# Altium PCB Zynq-Video-Board.PcbDoc (part 1 of 7) (continued)
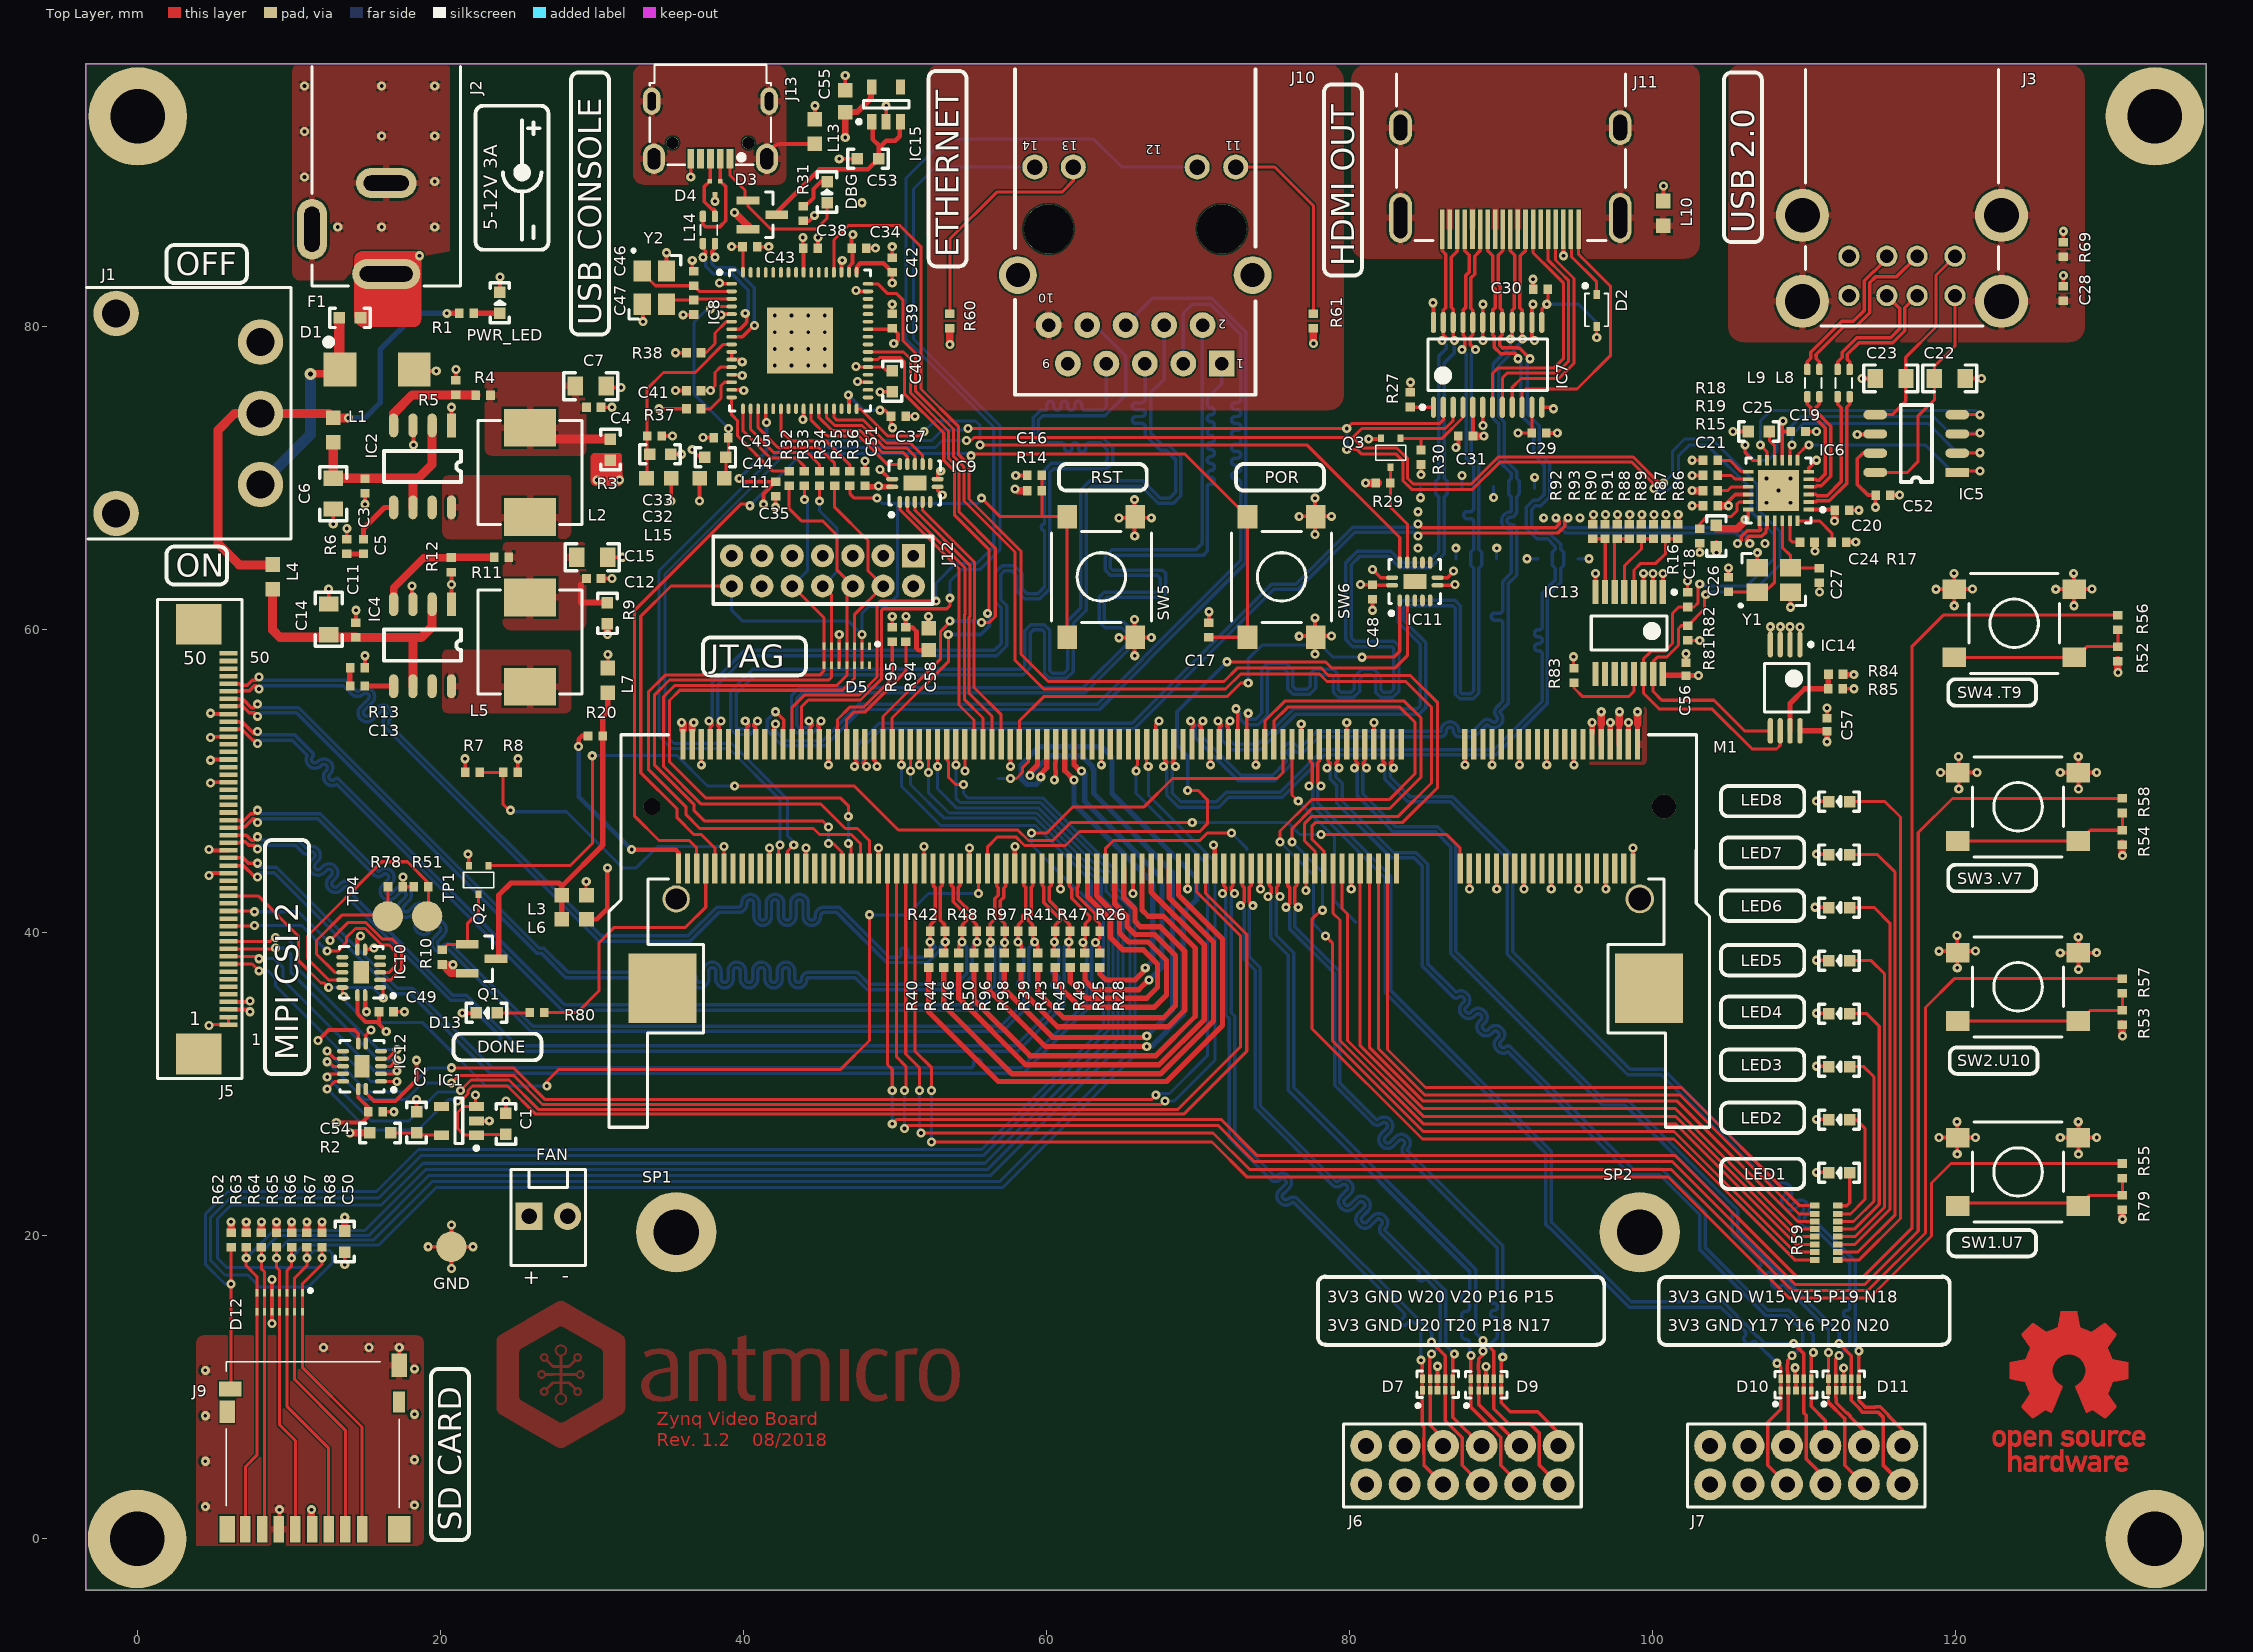
[diagram p0: Top Layer view]
## Footprints (in the part's own frame and the unit in brackets; to place one, negate y for a bottom-side part, rotate by r counter-clockwise, add the part's x,y. Pads: shape width x height; smd on the part's side, far side on the other; paste and mask are expansions set on the pad) (continued)
  silkscreen extent -50,-50 520,125, body extent -89,-86 567,162, height 252
DBQ0016A [mm]
  rect 1.6x0.41 smd: 1(-2.7,2.222) 2(-2.7,1.587) 3(-2.7,0.952) 4(-2.7,0.317) 5(-2.7,-0.318) 6(-2.7,-0.953) 7(-2.7,-1.588) 8(-2.7,-2.223) 9(2.7,-2.222) 10(2.7,-1.587) 11(2.7,-0.952) 12(2.7,-0.317) 13(2.7,0.318) 14(2.7,0.953) 15(2.7,1.588) 16(2.7,2.223)
  silkscreen extent -2.82,-2.5 1.13,3.1, body extent -2,-2.5 2,2.5, height 1.75
DC_SOCKET [mm]
  oval 2x4.5 hole 1 slot 3.5 at 90 deg: 1(13.7,0)
  oval 4x2 hole 1 slot 3 at 0 deg: 2(10.75,-4.9)
  oval 2x4 hole 1 slot 3 at 90 deg: 3(7.7,0)
  silkscreen extent 0,-4.9 14.5,4.9, body extent 0,-5.1 14.1,4.5, height 11.01
DHVQFN14 [mm] "QFN, 14-Leads, Body 2.50x3.00mm, Pitch 0.50mm, Thermal Pad 1.00x1.50mm, IPC Medium Density"
  oval 0.3x0.8 smd: 1(-0.25,1.5) 7(-0.25,-1.5) 8(0.25,-1.5) 14(0.25,1.5)
  oval 0.8x0.3 smd: 2(-1.25,1) 3(-1.25,0.5) 4(-1.25,0) 5(-1.25,-0.5) 6(-1.25,-1) 9(1.25,-1) 10(1.25,-0.5) 11(1.25,0) 12(1.25,0.5) 13(1.25,1)
  rect 1x1.5 smd: 15(0,0)
  silkscreen extent -2.22,-1.7 1.45,1.7, body extent -1.25,-1.5 1.25,1.5, height 0.85
DLW21SN900SQ2 [mm]
  rrect50% 0.75x0.42 smd: 1(-0.9,0.4) 2(-0.9,-0.4) 3(0.9,-0.4) 4(0.9,0.4)
  silkscreen extent -0.34,-0.55 0.34,0.55, body extent -1,-0.6 1,0.6, height 1.44
DO-214AA [mm]
  rect 2.16x2.26 smd: A(2.45,0) C(-2.45,0)
  silkscreen extent -3.37,1.63 -3.03,1.97, body extent -2.75,-1.95 2.75,1.95, height 2.45
FT2232HQ [mm] "QFN, 64-Leads, Body 9,00x9,00mm, Pitch 0,50mm, Thermal Pad 4,35x4,35mm, IPC Medium Density"
  oval 0.7x0.25 smd: 2(-4.5,3.25) 3(-4.5,2.75) 4(-4.5,2.25) 6(-4.5,1.25) 7(-4.5,0.75) 8(-4.5,0.25) 9(-4.5,-0.25) 10(-4.5,-0.75) 13(-4.5,-2.25) 14(-4.5,-2.75) 16(-4.5,-3.75) 33(4.5,-3.75) 34(4.5,-3.25) 36(4.5,-2.25) 38(4.5,-1.25) 39(4.5,-0.75) 40(4.5,-0.25) 41(4.5,0.25) 43(4.5,1.25) 44(4.5,1.75) 45(4.5,2.25) 46(4.5,2.75) 48(4.5,3.75) GND(-4.5,-3.25) GND(-4.5,-1.25) GND(-4.5,1.75) GND(-4.5,3.75) GND(4.5,-2.75) GND(4.5,3.25) VCCIO(4.5,0.75) VCORE(-4.5,-1.75) VCORE(4.5,-1.75)
  oval 0.25x0.7 smd: 17(-3.75,-4.5) 18(-3.25,-4.5) 19(-2.75,-4.5) 21(-1.75,-4.5) 22(-1.25,-4.5) 23(-0.75,-4.5) 24(-0.25,-4.5) 26(0.75,-4.5) 27(1.25,-4.5) 28(1.75,-4.5) 29(2.25,-4.5) 30(2.75,-4.5) 32(3.75,-4.5) 49(3.75,4.5) 50(3.25,4.5) 52(2.25,4.5) 53(1.75,4.5) 54(1.25,4.5) 55(0.75,4.5) 57(-0.25,4.5) 58(-0.75,4.5) 59(-1.25,4.5) 60(-1.75,4.5) 61(-2.25,4.5) 62(-2.75,4.5) 63(-3.25,4.5) GND(0.25,-4.5) GND(2.75,4.5) VCCIO(-2.25,-4.5) VCCIO(0.25,4.5) VCCIO(3.25,-4.5) VCORE(-3.75,4.5)
  rect 4.35x4.35 smd: GND(0,0)
  silkscreen extent -5.42,-4.65 4.65,4.65, body extent -4.49,-4.53 4.55,4.51, height 0.9
IHLP-2525CZ-01 [mm]
  rect 2.5x3.43 smd: 1(-2.95,0) 2(2.95,0)
  silkscreen extent -3.43,-3.43 3.43,3.43, body extent -3.53,-3.34 3.55,3.34, height 2.9
LED0603 [mil]
  rect 30x30 smd: A(-27.5,0) K(27.5,0)
  silkscreen extent -52,-25 52,25, body extent -33,-16 31,16, height 43
M2-3mm [mm] "SMT Steel Spacer, M2 Thread Internal, 3mm"
  round 5.3 / inner round 0 / far side round 0 hole 3 paste-403.566: 1(0,0)
  body extent -2.17,-2.17 2.16,2.17, height 3
molex_2223-2021 [mm] "Pinhead male 1x2 pitch 2.54mm straight"
  rect 1.8x1.8 hole 1.02: 1(-1.27,0)
  round 1.8 hole 1.02: 2(1.27,0)
  silkscreen extent -2.46,-3.25 2.46,3.1, body extent -2.49,-3.2 2.44,3.15, height 10.68
Molex_HDMI_471511001 [mm] "HEADER, RIGHT ANGLE, HDMI"
  rect 0.3x2.6 smd: 1(4.5,3.36) 2(4,3.36) 3(3.5,3.36) 4(3,3.36) 5(2.5,3.36) 6(2,3.36) 7(1.5,3.36) 8(1,3.36) 9(0.5,3.36) 10(0,3.36) 11(-0.5,3.36) 12(-1,3.36) 13(-1.5,3.36) 14(-2,3.36) 15(-2.5,3.36) 16(-3,3.36) 17(-3.5,3.36) 18(-4,3.36) 19(-4.5,3.36)
  oval 1.5x2.3 hole 0.9 slot 1.7 at 90 deg: S(-7.25,-3.36) S(7.25,-3.36)
  oval 1.5x3.3 hole 0.9 slot 2.7 at 90 deg: S(-7.25,2.6) S(7.25,2.6)
  silkscreen extent -7.6,-6.9 7.5,4.1, body extent -7.55,-8.08 7.45,4.07, height 6.28
QC3CA12 [mm] "QC3CA12"
  rect 1.4x1.15 smd: 1(0,0) 2(0,1.6) 3(2.2,1.6) 4(2.2,0)
  silkscreen extent -1.42,-0.89 3.17,2.54, body extent -0.51,-0.54 2.79,2.06, height 0.8
QFN24 [mm]
  rect 0.7x0.25 smd: 1(-2,1.25) 2(-2,0.75) 3(-2,0.25) 4(-2,-0.25) 5(-2,-0.75) 6(-2,-1.25) 13(2,-1.25) 14(2,-0.75) 15(2,-0.25) 16(2,0.25) 17(2,0.75) 18(2,1.25)
  rect 0.25x0.7 smd: 7(-1.25,-2) 8(-0.75,-2) 9(-0.25,-2) 10(0.25,-2) 11(0.75,-2) 12(1.25,-2) 19(1.25,2) 20(0.75,2) 21(0.25,2) 22(-0.25,2) 23(-0.75,2) 24(-1.25,2)
  rect 2.7x2.7 smd: T(0,0)
  silkscreen extent -3.05,-2.15 2.15,2.15, body extent -2,-2 2,2, height 0.9
R_ARRAY_0402 [mm]
  rect 0.4x0.62 smd: 1(-1.8,0.8) 2(-1.25,0.8) 3(-0.75,0.8) 4(-0.25,0.8) 5(0.25,0.8) 6(0.75,0.8) 7(1.25,0.8) 8(1.8,0.8) 9(-1.8,-0.7) 10(-1.25,-0.7) 11(-0.75,-0.7) 12(-0.25,-0.7) 13(0.25,-0.7) 14(0.75,-0.7) 15(1.25,-0.7) 16(1.8,-0.7)
  body extent -2,-0.7 2,0.9, height 0.45
SC70-3 [mm] "SC70, 3-Leads, Pitch 0,65mm, EIAJ SC-88a"
  rect 0.5x0.4 smd: 1(-0.95,0.65) 2(-0.95,-0.65) 3(0.95,0)
  silkscreen extent -0.5,-1 0.5,1, body extent -1.15,-1.08 1.15,1.02, height 1
SOD-323 [mm]
  rect 0.45x0.59 smd: A(0,-1.055) C(0,1.055)
  silkscreen extent -0.89,-1.05 0.76,1.74, body extent -0.63,-1.25 0.63,1.25, height 1
SOIC-8 [mil]
  rect 62x24 smd: 1(0,0)
  oval 62x24 smd: 2(0,-50) 3(0,-100) 4(0,-150) 5(213,-150) 6(213,-100) 7(213,-50) 8(213,0)
  silkscreen extent 66,-175 147,25, body extent -17,-173 227,23, height 69
SOT23-5N [mm] "SOT23, 5-Leads, Body 2,90x2,70mm, Pitch 0,95mm, IPC Medium Density"
  rect 1x0.6 smd: 1(-1.15,0.95) 2(-1.15,0) 3(-1.15,-0.95) 4(1.15,-0.95) 6(1.15,0.95)
  silkscreen extent -1.28,-1.5 0.25,1.92, body extent -1.19,-1.46 1.21,1.44, height 1.1
SOT-3 [mm]
  rect 0.3x0.3 smd: 1(-0.35,-0.425) 2(0.35,-0.425) 3(0,0.425)
  body extent -0.51,-0.38 0.51,0.38, height 0.51
SOT-23 [mm] "SOT23, 3-Leads, Body 2.90x2.45mm, Pitch 0.95mm, IPC Medium Density"
  rect 1.5x0.55 smd: 1(-0.95,0.95) 2(-0.95,-0.95) 3(0.95,0)
  silkscreen extent 0.2,-1.5 0.7,1.5, body extent -1.13,-1.5 1.13,1.5, height 1.21
SSW-106-02-G-D-RA [mm]
  round 2.1 hole 1.067: 1(12.7,2.54) 2(10.16,2.54) 3(7.62,2.54) 4(5.08,2.54) 5(2.54,2.54) 6(0,2.54) 7(12.7,0) 8(10.16,0) 9(7.62,0) 10(5.08,0) 11(2.54,0) 12(0,0)
  silkscreen extent -1.5,-1.5 14.2,4, body extent -1.39,-9.8 14.1,2.8, height 5.04
T_MMMC_896-43-008-90-000000 [mm] "USB 2.0 double row, Type A"
  round 1.4 hole 0.9: L1(3.75,13.13) L2(6.25,13.13) L3(8.25,13.13) L4(10.75,13.13) U1(3.75,15.73) U2(6.25,15.73) U3(8.25,15.73) U4(10.75,15.73)
  round 3.5 hole 2.3: S1(0.68,10.43) S2(0.68,16.11) S3(13.82,16.11) S4(13.82,10.43)
  silkscreen extent 0.87,0.8 13.63,17.73, body extent -0.45,0 14.95,17.53, height 16.17
TE_1565917-4 [mm] "SODIMM Connector"
  rect 2x0.35 smd: 1(-5.349,25.791) 2(2.851,25.491) 3(-5.349,25.191) 4(2.851,24.891) 5(-5.349,24.591) 6(2.851,24.291) 7(-5.349,23.991) 8(2.851,23.691) 9(-5.349,23.391) 10(2.851,23.091) 11(-5.349,22.791) 12(2.851,22.491) 13(-5.349,22.191) 14(2.851,21.891) 15(-5.349,21.591) 16(2.851,21.291) 17(-5.349,20.991) 18(2.851,20.691) 19(-5.349,20.391) 20(2.851,20.091) 21(-5.349,19.791) 22(2.851,19.491) 23(-5.349,19.191) 24(2.851,18.891) 25(-5.349,18.591) 26(2.851,18.291) 27(-5.349,17.991) 28(2.851,17.691) 29(-5.349,17.391) 30(2.851,17.091) 31(-5.349,16.791) 32(2.851,16.491) 33(-5.349,16.191) 34(2.851,15.891) 35(-5.349,15.591) 36(2.851,15.291) 37(-5.349,14.991) 38(2.851,14.691) 39(-5.349,14.391) 40(2.851,14.091) 41(-5.349,10.191) 42(2.851,9.891) 43(-5.349,9.591) 44(2.851,9.291) 45(-5.349,8.991) 46(2.851,8.691) 47(-5.349,8.391) 48(2.851,8.091) 49(-5.349,7.791) 50(2.851,7.491) 51(-5.349,7.191) 52(2.851,6.891) 53(-5.349,6.591) 54(2.851,6.291) 55(-5.349,5.991) 56(2.851,5.691) 57(-5.349,5.391) 58(2.851,5.091) 59(-5.349,4.791) 60(2.851,4.491) 61(-5.349,4.191) 62(2.851,3.891) 63(-5.349,3.591) 64(2.851,3.291) 65(-5.349,2.991) 66(2.851,2.691) 67(-5.349,2.391) 68(2.851,2.091) 69(-5.349,1.791) 70(2.851,1.491) 71(-5.349,1.191) 72(2.851,0.891) 73(-5.349,0.591) 74(2.851,0.291) 75(-5.349,-0.009) 76(2.851,-0.309) 77(-5.349,-0.609) 78(2.851,-0.909) 79(-5.349,-1.209) 80(2.851,-1.509) 81(-5.349,-1.809) 82(2.851,-2.109) 83(-5.349,-2.409) 84(2.851,-2.709) 85(-5.349,-3.009) 86(2.851,-3.309) 87(-5.349,-3.609) 88(2.851,-3.909) 89(-5.349,-4.209) 90(2.851,-4.509) 91(-5.349,-4.809) 92(2.851,-5.109) 93(-5.349,-5.409) 94(2.851,-5.709) 95(-5.349,-6.009) 96(2.851,-6.309) 97(-5.349,-6.609) 98(2.851,-6.909) 99(-5.349,-7.209) 100(2.851,-7.509) 101(-5.349,-7.809) 102(2.851,-8.109) 103(-5.349,-8.409) 104(2.851,-8.709) 105(-5.349,-9.009) 106(2.851,-9.309) 107(-5.349,-9.609) 108(2.851,-9.909) 109(-5.349,-10.209) 110(2.851,-10.509) 111(-5.349,-10.809) 112(2.851,-11.109) 113(-5.349,-11.409) 114(2.851,-11.709) 115(-5.349,-12.009) 116(2.851,-12.309) 117(-5.349,-12.609) 118(2.851,-12.909) 119(-5.349,-13.209) 120(2.851,-13.509) 121(-5.349,-13.809) 122(2.851,-14.109) 123(-5.349,-14.409) 124(2.851,-14.709) 125(-5.349,-15.009) 126(2.851,-15.309) 127(-5.349,-15.609) 128(2.851,-15.909) 129(-5.349,-16.209) 130(2.851,-16.509) 131(-5.349,-16.809) 132(2.851,-17.109) 133(-5.349,-17.409) 134(2.851,-17.709) 135(-5.349,-18.009) 136(2.851,-18.309) 137(-5.349,-18.609) 138(2.851,-18.909) 139(-5.349,-19.209) 140(2.851,-19.509) 141(-5.349,-19.809) 142(2.851,-20.109) 143(-5.349,-20.409) 144(2.851,-20.709) 145(-5.349,-21.009) 146(2.851,-21.309) 147(-5.349,-21.609) 148(2.851,-21.909) 149(-5.349,-22.209) 150(2.851,-22.509) 151(-5.349,-22.809) 152(2.851,-23.109) 153(-5.349,-23.409) 154(2.851,-23.709) 155(-5.349,-24.009) 156(2.851,-24.309) 157(-5.349,-24.609) 158(2.851,-24.909) 159(-5.349,-25.209) 160(2.851,-25.509) 161(-5.349,-25.809) 162(2.851,-26.109) 163(-5.349,-26.409) 164(2.851,-26.709) 165(-5.349,-27.009) 166(2.851,-27.309) 167(-5.349,-27.609) 168(2.851,-27.909) 169(-5.349,-28.209) 170(2.851,-28.509) 171(-5.349,-28.809) 172(2.851,-29.109) 173(-5.349,-29.409) 174(2.851,-29.709) 175(-5.349,-30.009) 176(2.851,-30.309) 177(-5.349,-30.609) 178(2.851,-30.909) 179(-5.349,-31.209) 180(2.851,-31.509) 181(-5.349,-31.809) 182(2.851,-32.109) 183(-5.349,-32.409) 184(2.851,-32.709) 185(-5.349,-33.009) 186(2.851,-33.309) 187(-5.349,-33.609) 188(2.851,-33.909) 189(-5.349,-34.209) 190(2.851,-34.509) 191(-5.349,-34.809) 192(2.851,-35.109) 193(-5.349,-35.409) 194(2.851,-35.709) 195(-5.349,-36.009) 196(2.851,-36.309) 197(-5.349,-36.609) 198(2.851,-36.909) 199(-5.349,-37.209) 200(2.851,-37.509)
  round 1.6 hole 1.6 unplated: ""(-1.249,27.541)
  round 1.1 hole 1.1 unplated: ""(-1.249,-39.259)
  rect 4.6x4.5 smd: ""(10.751,26.541) ""(10.751,-38.559)
  silkscreen extent -5.98,-42.11 19.92,30.54, body extent -6.28,-41.61 28.68,29.89, height 5.66
TP-R-2#1 [mm]
  round 2 smd: 1(0,0)
TP-R-2#2 [mm]
  round 2 smd far side: 1(0,0)
TP-R-2#3 [mm]
  round 2 smd paste-1: 1(0,0)
TPD4E05U06_PASS [mm]
  rect 0.3x0.55 smd: 1(-1,-0.385) 1(-1,0.385) 2(-0.5,-0.385) 2(-0.5,0.385) 4(0.5,-0.385) 4(0.5,0.385) 5(1,-0.385) 5(1,0.385)
  rect 0.4x0.55 smd: 3(0,-0.385) 3(0,0.385)
  silkscreen extent -1.4,-1.5 1.38,0.87, body extent -1.25,-0.5 1.25,0.51, height 0.56
TPD6E05U06_PASS [mm]
  rect 0.2x0.5 smd: 5(0.5,-0.625) 8(1.5,-0.625) 8(1.5,0.625) 9(1,-0.625) 9(1,0.625) 10(0.5,0.625) 11(0,0.625) 11(0,-0.625) 12(-0.5,0.625) 12(-0.5,-0.625) 13(-1,-0.625) 13(-1,0.625) 14(-1.5,-0.625) 14(-1.5,0.625)
  silkscreen extent -2.13,-0.86 -1.93,-0.66, body extent -1.88,-0.63 1.93,0.64, height 0.6
TSOP65P640X120-24L [mm] "TSOP, 24-Leads, Body 7.80x4.40mm, Pitch 0.65mm, IPC High Density"
  oval 1.4x0.35 smd: 1(-2.8,3.575) 2(-2.8,2.925) 3(-2.8,2.275) 4(-2.8,1.625) 5(-2.8,0.975) 6(-2.8,0.325) 7(-2.8,-0.325) 8(-2.8,-0.975) 9(-2.8,-1.625) 10(-2.8,-2.275) 11(-2.8,-2.925) 12(-2.8,-3.575) 13(2.8,-3.575) 14(2.8,-2.925) 15(2.8,-2.275) 16(2.8,-1.625) 17(2.8,-0.975) 18(2.8,-0.325) 19(2.8,0.325) 20(2.8,0.975) 21(2.8,1.625) 22(2.8,2.275) 23(2.8,2.925) 24(2.8,3.575)
  silkscreen extent -2.92,-3.95 1.7,4.42, body extent -3.27,-3.95 3.28,3.95, height 1.2
TSSOP-8 [mm]
  oval 1.7x0.35 smd: 1(-2.85,0.975) 2(-2.85,0.325) 3(-2.85,-0.325) 4(-2.85,-0.975) 5(2.85,-0.975) 6(2.85,-0.325) 7(2.85,0.325) 8(2.85,0.975)
  silkscreen extent -2.97,-1.36 1.6,1.83, body extent -3.2,-1.5 3.2,1.5, height 1.21
WE_7499111121A [mm]
  rect 1.7x1.7 hole 0.9: 1(-5.755,7.816)
  round 1.7 hole 0.9: 2(-4.485,5.276) 3(-3.215,7.816) 4(-1.945,5.276) 5(-0.675,7.816) 6(0.595,5.276) 7(1.865,7.816) 8(3.135,5.276) 9(4.405,7.816) 10(5.675,5.276)
  round 1.65 hole 1.02: 11(-6.67,-5.154) 12(-4.13,-5.154) 13(4.05,-5.154) 14(6.59,-5.154)
  round 2.5 hole 1.6: ""(-7.785,1.976) ""(7.705,1.976)
  round 3.25 hole 3.25 unplated paste+0: ""(-5.755,-1.074) ""(5.675,-1.074)
  silkscreen extent -7.98,-11.6 7.9,9.88, body extent -10.07,-11.93 9.78,9.91, height 3.37
WE_629105150521 [mm] "Micro USB 2.0 SMT Type B Horizontal 5 Contacts High Current"
  rect 0.45x1.3 smd: 1(-1.3,2.9) 2(-0.65,2.9) 3(0,2.9) 4(0.65,2.9) 5(1.3,2.9)
  oval 1.15x1.8 hole 0.55 slot 1.2 at 90 deg: S(-3.875,-0.9) S(3.875,-0.9)
  oval 1.45x2 hole 0.85 slot 1.4 at 90 deg: S(-3.725,2.9) S(3.725,2.9)
  round 0.8 hole 0.8 unplated: ""(-2.5,1.85) ""(2.5,1.85)
  silkscreen extent -4,-3.3 4,3.3, body extent -4,-3.3 4,3.3, height 2.71
X1E0000210832 [mm]
  rect 1.4x1.15 smd: 1(0,0) 2(0,1.6) 3(2.2,1.6) 4(2.2,0)
  silkscreen extent -1.18,-0.97 3.17,2.54, body extent -0.51,-0.54 2.79,2.06, height 0.8

## Part data
C1 C2 C58: library part C_2u2_0603, "MLCC SMT Capacitor 2u2F 0603"
C3 C4 C11 C12 C19 C20 C21 C24 C28 C29 C30 C31 C33 C34 C35 C37 C38 C39 C41 C42 C43 C45 C48 C49 C51 C52 C54 C56 C57: library part C_100n_0402, "MLCC SMT Capacitor 100nF 0402"
C5: library part C_2n2_0402, "MLCC SMT Capacitor 2n2 0402"
C6 C7 C14 C15 C22 C23: library part C_22u_0805, "MLCC SMT Capacitor 22uF 0805"
C13: library part C_1n5_0402, "MLCC SMT Capacitor 1.5 nF 0402"
C16 C17: library part C_10n_0402, "MLCC SMT Capacitor 10nF 0402"
C18 C25 C50 C53 C55: library part C_1u_0603, "MLCC SMT Capacitor 1u 0603"
C26 C27 C46 C47: library part C_18p_0402, "MLCC SMT Capacitor 18pF 0402"
C32 C40 C44: library part C_4u7_0603, "MLCC SMT Capacitor 4u7 0603"
D1: library part TVS_UNIDIR, "DIODE, TVS, 12V, 400W"
D2: "Diode small signal"
D3: "Dual switching diode, common cathode"
D4: library part TPD2E009, "ESD Suppressors 2-CH"
D5 D12: "ESD Suppressors 6-CH Pass through layout"
D7 D9 D10 D11: "ESD Suppressors 4-CH"
D13 DBG LED1 LED2 LED3 LED4 LED5 LED6 LED7 LED8 PWR_LED: library part LED, "LED Green 0603 case"
F1: library part Fuse, "Fuse, Surface Mount,  SinglFuse SF-0603FP Series, 3 A, 32 VDC, Fast Acting, 0603"
FAN: library part molex_2223-2021, "Pinhead connector with key"
GND TP1 TP4 TP5 TP6 TP7 TP11: "Testpad, round, 2mm"
IC1 IC15: "Capacitor-Free, 300-mA, Low-Dropout Regulator with Foldback Current Limit for Portable Devices"
IC2 IC4: "DC-DC buck (step-down), reg., 4.5V-18Vin, Vou 1.25V-5V/3A, 1 MHz, SOIC-8"
IC5: "Power Load Distribution Switch IC, Active High, 2 Outputs, 5.5 V in, 900 mA, 0.09 ohm, SOIC-8"
IC6: "The USB2422-I/MJ is a 2-port USB 2.0 high-speed Hub Controller IC with two downstream ports for embedded USB solutions."
IC7: "TPD12S016PWR is a single-chip High Definition Multimedia Interface (HDMI)"
IC8: "FTDI  FT4232HQ-R  Interface Bridges, USB to UART, MPSSE, 1.62 V, 1.98 V, QFN, 64 Pins, -40 °C"
IC9 IC10 IC11: "4 bit voltage level translator - no pullups"
IC12: "4 bit voltage level translator - pullups"
IC13: "Remote 8bit I2C SMBus I/O expander"
IC14: library part RM24C128DS, "EEPROM with UID and OTP registers."
J1: library part 1101M2S3AQE2, "single-pole double-throw (SPDT) PC mount vertical Miniature Slide Switch with right angle through-hole termination"
J2: library part DC_SOCKET
J3: library part USB_DOUBLE_A, "8-way 2-port USB 2.0 type-A Stacked Connector with gold-plated copper alloy contacts."
J5: library part 1X50, "0.50mm SMT ZIF Horizontal Bottom Contact WR-FPC"
J6 J7: "Board-To-Board Connector, Right Angle, 2.54 mm, 12 Contacts, Receptacle, SSW Series, Through Hole"
J9: library part Micro_SD, "Micro SD card holder"
J10: library part WE_7499111121A, "CONN MAGJACK 1PORT 1000 BASE-T"
J11: library part CON-Molex-471511001, "Header right angle HDMI"
J12: library part CON-Molex-87831-1420, "HEADER, SQUARE PIN, M/GRID, 14WAY"
J13: library part "Micro USB B", "Micro USB B"
L1 L3 L4 L6 L7 L10 L13: "FERRITE BEAD, 0.025OHM, 3A, 0603"
L2 L5: library part "Inductor Power", "3.3 µH, ± 20%, Shielded, 0.02 ohm, 8 A"
L8 L9 L14: "Common mode choke"
L11 L15: "FERRITE BEAD, 0.38OHM, 0.5, 0603"
M1: library part "Mars ZX2", "SODIMM Connector 200_1V8"
Q1: library part PMOS, "P CH, 20V, 4A"
Q2 Q3: library part NMOS, "MOSFET, N CH, 60V, 0.2A"
R1: library part R_1k2_0402, "SMT Resistor 1k2 0402"
R2 R3 R9: library part R_0R_0603, "SMT Resistor 0R 0603"
R4 R11: library part R_24k9_0402, "SMT Resistor 24k9 0402"
R5: library part R_4k7_0402, "SMT Resistor 4k7 0402"
R6: library part R_8k25_0402, "SMT Resistor 8k25 0402"
R7 R8 R20 R84 R85 R95: library part R_0R_0402, "SMT Resistor 0R 0402"
R10 R14 R15 R16 R18 R19 R27 R29 R30 R37 R51 R52 R53 R54 R62 R63 R64 R65 R66 R67 R68 R78 R79 R86 R87 R88 R89 R90 R91 R92 R93: library part R_10k_0402, "SMT Resistor 10k 0402"
R12: library part R_7k87_0402, "SMT Resistor 7k87 0402"
R13 R17 R38: library part R_12k_0402, "SMT Resistor 12k 0402"
R25 R28 R39 R40 R43 R44 R45 R46 R49 R50 R96 R98: library part R_100R_0402, "SMT Resistor 100R 0402"
R26 R41 R42 R47 R48 R60 R61 R97: library part R_150R_0402, "SMT Resistor 150R_0402"
R31: library part R_470R_0402, "SMT Resistor 470R 0402"
R32 R33 R34 R35 R36 R55 R56 R57 R58: library part R_22R_0402, "SMT Resistor 22R 0402"
R59: library part R_ARRAY, "SMD Resistors Array 0402"
R69 R80: library part R_330R_0402, "SMT Resistor 330R 0402"
R70 R71 R72 R73 R74 R75 R76 R77: library part R_49R9_0402, "SMT Resistor 49R9 0402"
R81 R82 R83: library part R_2k2_0402, "SMT Resistor 2k2 0402"
R94: library part R_9k1_0402, "SMT Resistor 9k1 0402"
SP1 SP2: library part SPACER, "M2x3"
SW1 SW2 SW3 SW4 SW5 SW6: library part TACTILE_SWITCH
Y1: library part CRYSTAL_SMD_24Mhz, "Crystal, 24 MHz, SMD, 3.2mm x 2.5mm, 10 ppm, 18 pF, 10 ppm, TSX-3225 Series"
Y2: library part CRYSTAL_SMD_12Mhz, "Crystal, 12 MHz, SMD, 3.2mm x 2.5mm, 30 ppm, 12 pF"

## Free pads (board coordinates)
  round 6.5 hole 3.6: 1(0,0) 1(0.05,93.9) 1(133.2,0) 1(133.2,93.9)
  round 1.8 / inner round 1.8 / far side round 3 hole 1.4: 3(35.591,42.249)
  round 1.9 / inner round 1.9 / far side round 3 hole 1.5: 3(99.191,42.249)

## Via types
v1: diameter 0.6, hole 0.25, Top Layer to Bottom Layer, tented both sides, 578 vias
v2: diameter 0.6, hole 0.25, Top Layer to Bottom Layer, 16 vias
v3: diameter 0.8, hole 0.35, Top Layer to Bottom Layer, tented both sides, 1 vias

## Nets (pads, with @x,y where several pads share a name; then routed paths per layer and width w, separated by ;. In a path a pad name is that pad's centre, name@x,y a point inside that pad or via, vN(x,y) a via of type N, cw(c..) or ccw(c..) an arc to the next point about the centre after c; other vN are vias at no path point)
1V8_FT: C40.1 C41.2 C42.2 C43.2 IC8.49 IC8.VCORE | length 43.1
  Top Layer w0.2: C41.2@37.23,75.8 37.45,75.8 v1(37.85,75.8) 38.15,76.1 38.15,77 38.5,77.35 IC8.VCORE@39.25,77.35 ; v1(39.25,85.3) C43.2@39.97,85.3 40,85.27 IC8.VCORE@40,83.6 ; v1(47.45,77.4) 47.5,77.35 IC8.VCORE@48.25,77.35 49.238,77.35 49.469,77.119 C40.1@49.85,77.119 ; C40.1@49.82,77.35 C40.1@49.85,77.38 ; v1(49.85,82.9) C42.2@49.85,83.62
  Top Layer w0.3: IC8.49@47.5,83.6 47.5,83.95 47.75,84.2 49.27,84.2 C42.2@49.85,83.62
  Power Layer w0.5: v1(37.85,75.8) 39.2,74.45 40.35,74.45 41.45,75.55 41.45,83.2 41.35,83.3 ; v1(39.25,85.3) 39.25,84.2 40.15,83.3 41.35,83.3 ; v1(47.45,77.4) 47.45,80.3 49.85,82.7 v1(49.85,82.9) 49.45,83.3 41.35,83.3
2V8: IC10.1 IC10.8 IC12.1 IC12.8 R2.2 | length 34.2
  Top Layer w0.254: v1(11.95,32.9) 12.65,33.6 14.35,33.6 14.6,33.35 IC12.8@14.6,32.7 ; IC12.1@15.1,29.7 15.1,29.45 15.65,28.9 17.05,28.9 18.45,30.3 v1(18.45,31.6)
  Top Layer w0.3: IC10.8@14.55,38.9 14.55,39.6 v1(14.75,39.8) ; v1@15.05,34.92 IC10.1@15.05,35.9
  Top Layer w0.5: v1(14.05,26.8) R2.2@15.352,26.8
  Power Layer w0.5: v1(11.95,32.9) 12.65,32.9 14.85,35.1 ; v1(14.05,26.8) 14.05,27.2 15.85,29 17.15,29 18.45,30.3 18.45,33.1 17.4,34.15 16.3,34.15 15.15,35.3 15.15,36.928 14.75,37.328 v1(14.75,39.8)
  other v1: 15.15,34.8
3V3: C18.2 C19.2 C20.2 C21.2 C31.1 C48.1 C49.1 C50.2 C51.1 C54.1 C56.2 C57.2 IC6.1 IC6.9 IC6.16 IC6.18 IC7.5 IC7.12 IC7.24 IC9.1 IC9.8 IC9.14 IC10.14 IC11.1 IC11.8 IC11.14 IC12.14 IC13.16 IC14.8 J5.3 J5.4 J6.6 J6.12 J7.6 J7.12 J9.4 J12.2 M1.1 M1.3 M1.5 M1.7 M1.9 M1.11 M1.197 M1.199 Q1.2 R7.1 R9.2 R10.2 R14.1 R15.1 R29.2 R52.2 R53.2 R54.2 R60.2 R61.2 R62.2 R63.2 R64.2 R65.2 R66.2 R67.2 R68.2 R79.2 R81.2 R82.2 R83.2 R84.2 R86.2 R88.2 R90.2 R92.2 | length 74.3
  Top Layer w0.2: R83.2@94.82,57.61 v1(94.82,58.23) ; R81.2@102.33,59.3 v1@102.95,59.3 ; R82.2@102.35,62.61 v1(102.35,63.23)
  Top Layer w0.25: J5.3@6.04,34.95 v1@7.3,34.95 ; J5.4@6.04,35.45 v1@7.4,35.45 ; v1(49.05,70.6) 49.7,69.95 IC9.14@49.85,69.95 ; v1(81.55,64) 82.1,63.45 IC11.14@82.85,63.45 ; v1(85.55,81.6) 85.575,81.575 IC7.24@85.575,80.3 ; IC7.5@88.175,74.7 88.175,72.805 C31.1@88.18,72.8 ; IC7.12@92.725,74.7 93.4,74.7 v1(93.5,74.6) ; v1(105.05,68.2) 105.05,68.5 105.5,68.95 IC6.16@106.35,68.95 ; v1@106.15,67.2 106.35,67.4 IC6.18@106.35,67.95 ; IC6.9@108.6,71.2 108.6,73.1 ; v1(108.65,73.8) 108.6,73.75 108.6,73.1 ; C19.2@109.17,73.1 108.6,73.1 ; IC6.1@110.35,67.95 112.02,67.95 112.05,67.92 C20.2@112.07,67.9
  Top Layer w0.254: v1(13.15,27.5) 14.85,27.5 15.27,27.92 C54.1@15.27,28.2 15.27,28.48 14.6,29.15 IC12.14@14.6,29.7 ; IC10.14@14.55,35.9 14.55,34.707 14.543,34.7 14.623,34.62 14.623,34.582 15.078,34.127 15.823,34.127 15.97,33.98 ; C49.1@15.97,34.8 15.97,33.98 ; v1(16.45,33.5) 15.97,33.98 ; v1(21.65,51.5) 21.67,51.48 R7.1@21.67,50.6 ; IC9.8@52.85,69.95 52.85,70.3 v1(53.05,70.5) ; v1(80.75,63) 80.77,62.98 C48.1@81.55,62.98 81.58,62.95 IC11.1@82.85,62.95 ; IC11.8@85.85,63.45 86.5,63.45 v1@86.85,63.8
  Top Layer w0.35: C51.1@48.05,69.52 48.12,69.45 IC9.1@49.85,69.45 ; M1.11@96.05,53.2 v1(96.05,53.9) ; R92.2@96.13,67.01 v1(96.13,67.63) ; M1.9@96.641,52.449 96.641,54.291 ; M1.7@97.25,53.08 v1(97.25,53.9) ; R90.2@97.73,67.01 v1(97.73,67.63) ; M1.5@97.841,52.449 97.841,54.291 ; M1.3@98.45,53.08 v1(98.45,53.9) ; M1.1@99.041,52.449 99.041,54.291 ; R88.2@99.33,67.01 v1(99.33,67.63) ; IC13.16@100.713,57.1 100.808,57.005 C56.2@102.28,57.005 ; R86.2@101.73,67.01 v1(101.73,67.63) ; C56.2@102.37,56.99 v1(103.07,56.99) ; IC14.8@109.765,53.34 111.54,53.34 111.56,53.32 v1(111.56,52.62) ; R84.2@112.62,57.05 v1(113.32,57.05)
  Top Layer w0.5: R62.2@6.209,20.209 v1(6.209,20.934) ; R63.2@7.209,20.209 v1(7.209,20.934) ; R64.2@8.209,20.209 v1(8.209,20.934) ; R65.2@9.209,20.209 v1(9.209,20.934) ; R66.2@10.209,20.209 v1(10.209,20.934) ; R67.2@11.209,20.209 v1(11.209,20.934) ; J9.4@11.509,1.209 v1(11.509,1.934) ; R68.2@12.209,20.209 v1(12.209,20.934) ; C50.2@13.709,20.509 v1(13.709,21.234) ; R10.2@20.15,37.92 R10.2@20.17,37.9 ; v1(20.85,37.9) R10.2@20.17,37.9 ; Q1.2@21.8,37.35 20.72,37.35 R10.2@20.17,37.9 ; v1(31.05,59.7) R9.2@31.05,60.401 R9.2@31.05,60.52 ; v1(35.95,53.9) 36.041,53.809 M1.199@36.041,53.4 ; M1.197@36.641,53.4 36.641,53.791 v1(36.75,53.9) ; v1(53.65,78.85) R60.2@53.65,79.67 ; v1@58.15,69.2 R14.1@58.75,69.2 ; v1(77.65,78.9) R61.2@77.65,79.701 ; v1(81.1,69.7) R29.2@81.77,69.7 R29.2@81.92,69.7 ; C31.1@88.18,72.8 v1(88.9,72.8) ; 96.641,54.291 96.65,54.3 ; 96.65,53.78 v1(96.65,54.6) ; 97.841,54.291 97.85,54.3 ; 97.85,53.78 v1(97.85,54.6) ; 99.041,54.291 99.05,54.3 ; 99.05,53.78 v1(99.05,54.6) ; v1(102.65,69.2) R15.1@103.37,69.2 ; C18.2@104.25,66.68 105.63,66.68 v1@106.15,67.2 ; C21.2@104.43,68.2 v1(105.05,68.2) ; v1(112.05,67.2) C20.2@112.05,67.92 ; v1(130.75,57.2) R52.2@130.75,57.935 R52.2@130.75,58.02 ; v1@131.05,21.2 R79.2@131.05,21.7 ; v1(131.05,33.2) R53.2@131.05,33.935 R53.2@131.05,34.02 ; v1(131.05,45.1) R54.2@131.05,45.82 R54.2@131.05,45.92
  other v1: 131.05,21.1 7.45,34.8 7.45,35.5 103.15,59.3 86.9,63.9 106.15,67.3 57.95,69.3 48.95,69.5
3V3_FT: C34.2 C35.2 C37.2 C38.2 C39.2 C55.2 IC8.50 IC8.VCCIO IC15.6 L11.1 L15.1 R37.1 | length 94.8
  Top Layer w0.25: v1(34.45,74.6) R37.1@36.27,74.6 ; v1@35.265,68.615 L15.1@35.265,70 ; v1(37.135,68.515) L11.1@37.135,70 ; v1(39.75,70) 39.97,69.78 C35.2@42.15,69.78 41.35,68.98 v1(41.35,68.3) ; IC8.VCCIO@41.5,74.6 41.5,73.75 v1(41.55,73.7) ; v1(43.95,85.9) 43.95,85.22 C38.2@43.97,85.2 44,85.17 IC8.VCCIO@44,83.6 ; v1(46.95,75.5) 47,75.45 IC8.VCCIO@47,74.6 ; IC8.50@47,83.6 47,83.98 47.235,84.215 47.235,85.135 C34.2@47.17,85.2 47.17,86.02 v1(47.25,86.1) ; v1@47.848,88.201 v1(47.85,88.2) ; IC8.VCCIO@48.25,79.85 49.925,79.85 50.225,79.55 50.225,79.1 50.025,78.9 v1(49.95,78.9) ; v1(49.05,74.5) 49.37,74.5 C37.2@49.77,74.1 49.77,73.448 v1(49.872,73.346)
  Top Layer w0.4: v1(46.75,92.5) C55.2@46.75,94.175 47.525,94.175 48.45,95.1 48.45,95.8 IC15.6@48.5,95.85
  Power Layer w0.25: v1(39.75,70) 38.25,68.5 31.85,68.5 31.05,69.3 31.05,71.2 v1(34.45,74.6) 34.45,83 37.35,85.9 v1(43.95,85.9)
  Power Layer w0.4: v1(43.95,85.9) 44.101,85.9 44.701,85.3 46.45,85.3 v1(47.25,86.1) 47.85,86.7 v1(47.85,88.2) ; v1(46.75,92.5) 47.85,91.4 v1(47.85,88.2) ; v1(49.872,73.346) 49.95,73.424 v1(49.95,78.9) 50.75,79.7 50.75,85.3 v1(47.85,88.2)
  Bottom Layer w0.25: v1(39.75,70) 41.55,71.8 v1(41.55,73.7) ; v1(46.95,75.5) 47.95,74.5 v1(49.05,74.5)
  other v1: 35.25,68.5
3V3_MOD: L3.1 L6.1 L7.1 Q1.3 R20.2 | length 25.1
  Top Layer w0.35: Q1.3@23.7,38.3 23.875,38.475 23.875,42.5 24.675,43.3 27.85,43.3 28.05,43.1 28.035,43.085 ; L6.1@28.035,40.9 L3.1@28.035,42.5 28.035,43.085 ; L7.1@31.075,55.86 31.075,54.625 30.75,54.3 30.75,45.8 28.035,43.085
3V3_R: C12.2 C15.2 L5.2 R9.1 R11.2 | length 3
  Top Layer w0.4: 29.3,63 29.3,61.798 R9.1@31.05,61.798
5V0: C1.2 C29.1 C52.2 C58.2 D3.2 FAN.1 IC1.1 IC1.3 IC5.7 IC7.11 J5.1 J5.2 R3.2 R94.1 | length 288.1
  Top Layer w0.2: v1(4.75,33.9) 4.8,33.95 J5.1@6.04,33.95 J5.2@6.04,34.45 ; v1(22.35,29.3) IC1.3@22.35,28.55 ; IC1.3@22.4,28.55 IC1.3@22.35,28.55 ; C1.2@24.35,26.701 22.452,26.701 IC1.1@22.4,26.65 21.6,26.65 21.15,27.1 21.15,28.15 21.55,28.55 IC1.3@22.35,28.55 ; v1(91.15,73) C29.1@91.87,73 ; C29.1@92.07,73 92.075,73.005 IC7.11@92.075,74.7
  Top Layer w0.25: IC5.7@114.74,71.67 113.92,71.67 113.55,71.3 113.55,69.6 114.25,68.9 C52.2@114.77,68.9 114.75,68.88 v1(114.75,68.1)
  Top Layer w0.3: v1(50.75,60.9) R94.1@50.75,60.18 51.17,60.18 51.45,59.9 51.45,58.8 51.575,58.675 C58.2@52.25,58.675
  Top Layer w0.5: v1(39.435,87.56) 40.329,86.667 D3.2@40.329,86.449
  Power Layer w0.5: v1(4.75,33.9) 11.25,33.9 ; FAN.1@25.88,21.3 22.35,24.83 22.35,28.3 ; v1(30.35,69.9) 30.05,69.9 11.25,51.1 11.25,33.9 ; v1(31.85,69.9) 32.65,70.7 44.65,70.7 46.05,72.1 52.35,72.1 54.65,74.4 56.489,74.4 ; v1(39.435,87.56) 41.046,87.56 43.16,89.674 43.16,91.625 45.77,94.235 47.739,94.235 52.585,89.389 52.585,84.338 57.953,78.971 57.953,75.864 56.489,74.4 ; v1(50.75,60.9) 50.75,59.5 49.85,58.6 36.25,58.6 33.95,60.9 29.55,60.9 26.95,58.3 26.95,41.7 27.45,41.2 27.45,36.4 22.729,31.679 22.729,29.679 v1(22.35,29.3) 22.35,28.3 ; v1(114.75,68.1) 114.75,70.6 109.85,75.5 97.65,75.5 95.85,73.7 91.85,73.7 91.35,73.2 91.05,73.2 89.85,74.4 56.489,74.4 ; 11.25,33.9 11.25,27.3 13.95,24.6 18.65,24.6 22.35,28.3
5V0_FT: C53.2 D3.3 IC15.1 IC15.3 | length 13.7
  Top Layer w0.3: D3.3@42.229,87.399 42.229,87.579 45.05,90.4 48.249,90.4 C53.2@48.949,91.1 48.95,91.101 48.95,91.8 ; IC15.1@48.5,93.55 48.55,93.5 48.55,92.4 48.95,92 48.95,91.8 ; IC15.3@50.4,93.55 50.35,93.5 50.35,92.6 50.05,92.3 49.45,92.3 48.95,91.8